# Altium PCB UCL-CPUM-H7-2.PcbDoc (part 1 of 4)
Units mm, origin at the board's own origin, x right, y up, seen from the top; angles counter-clockwise.
Board outline 42 x 53 mm, 6 copper layers (Top Layer, L2_GND, L3_VCC, L4_Sig, L5_GND, Bottom Layer), stack 1.657 mm thick; 92 components, 176 nets, 471 pads, 255 vias.
Unrouted connection lines stored in the file: 34.
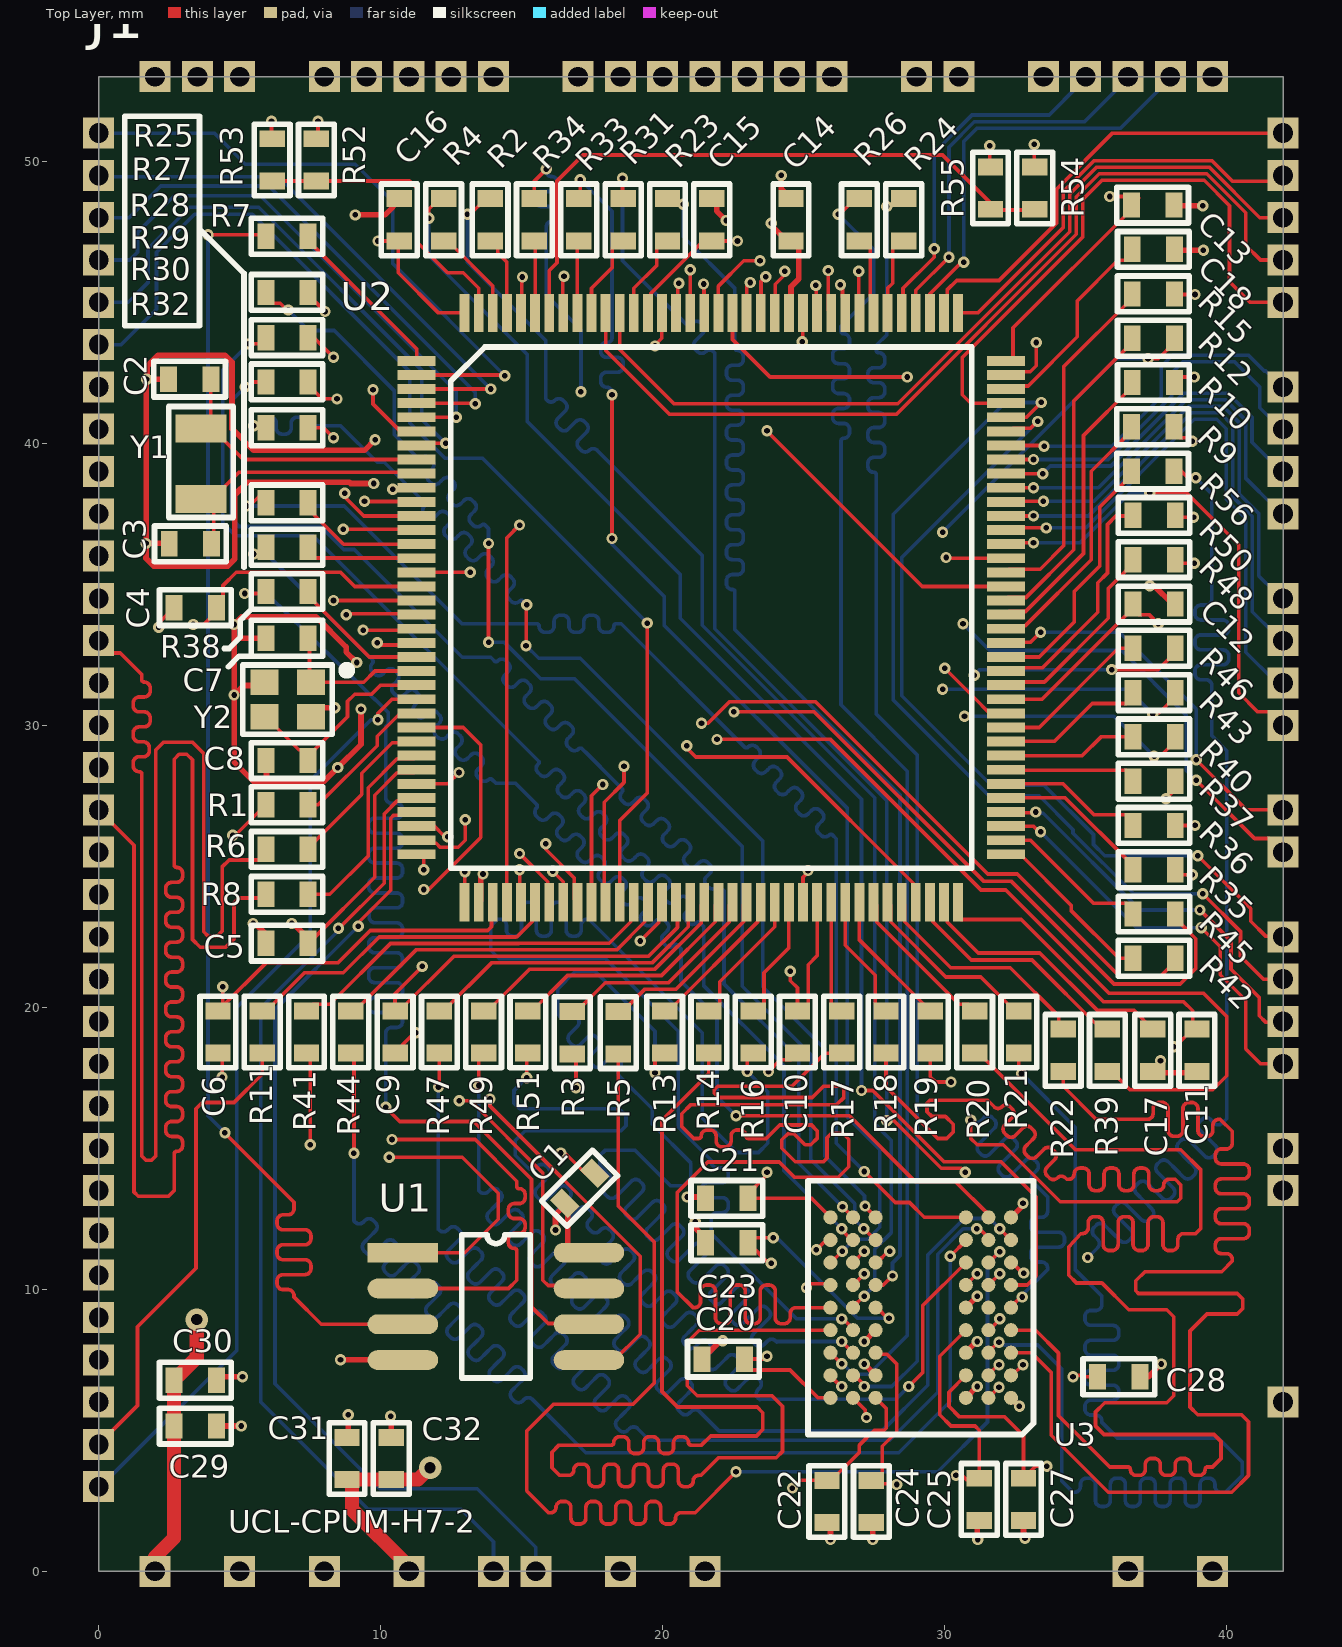
[diagram p0: Top Layer view]
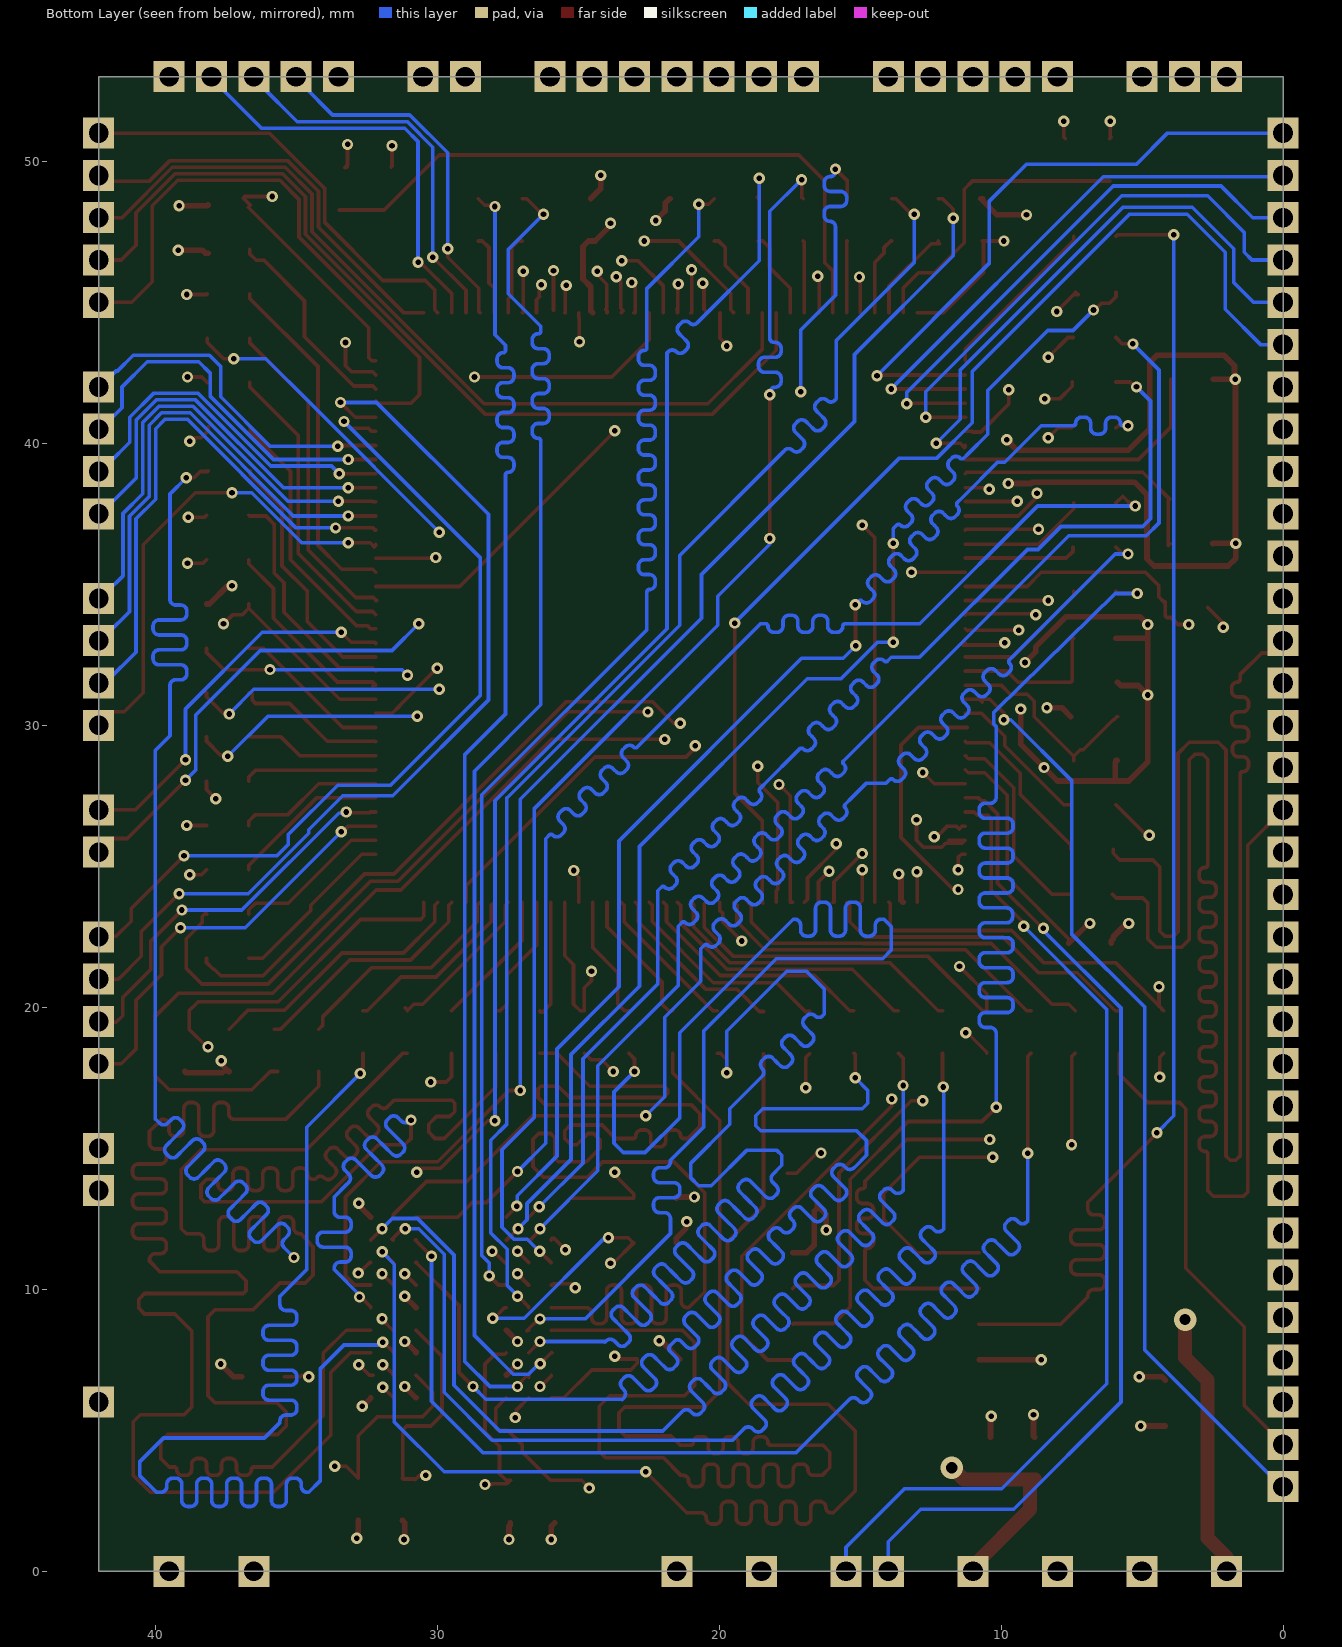
[diagram p1: Bottom Layer view, seen from below]
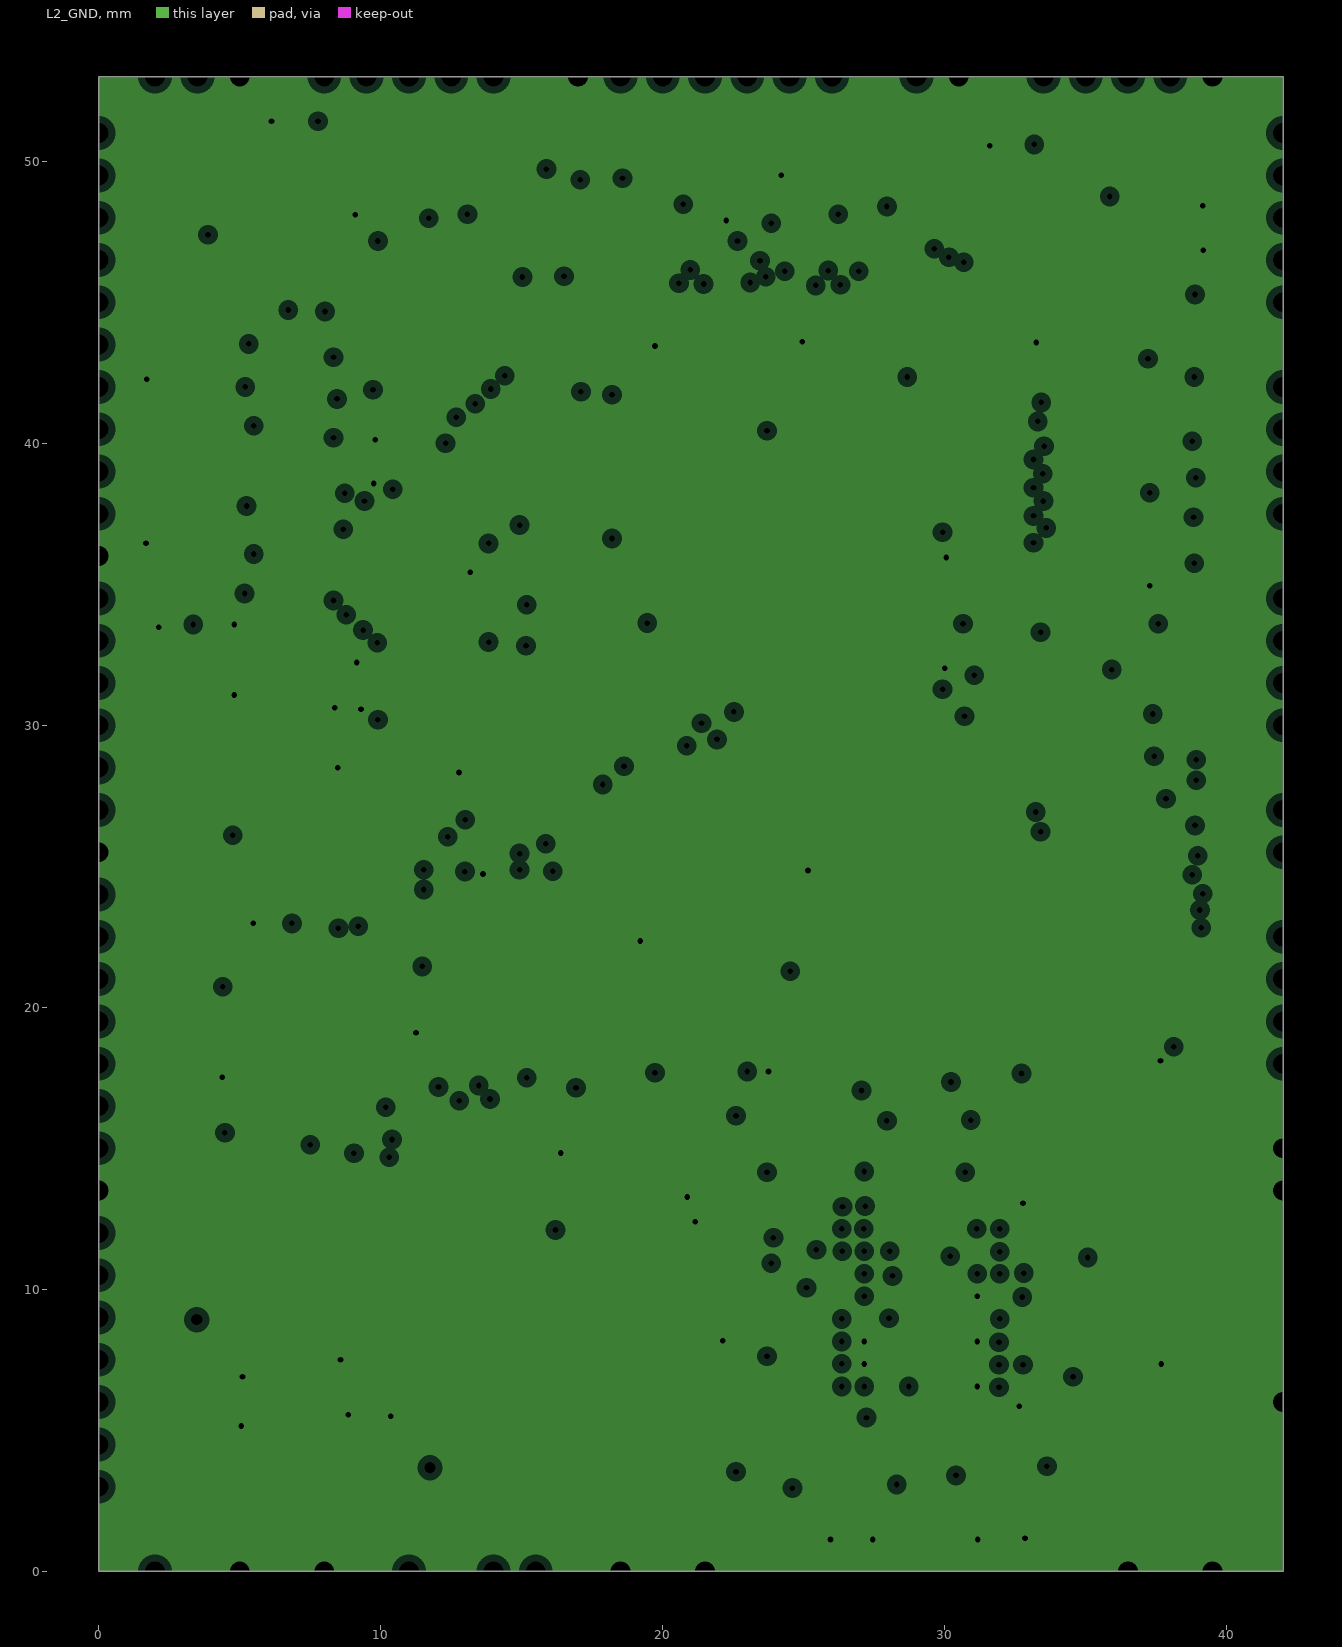
[diagram p2: L2_GND, clearances drawn from the general rule]
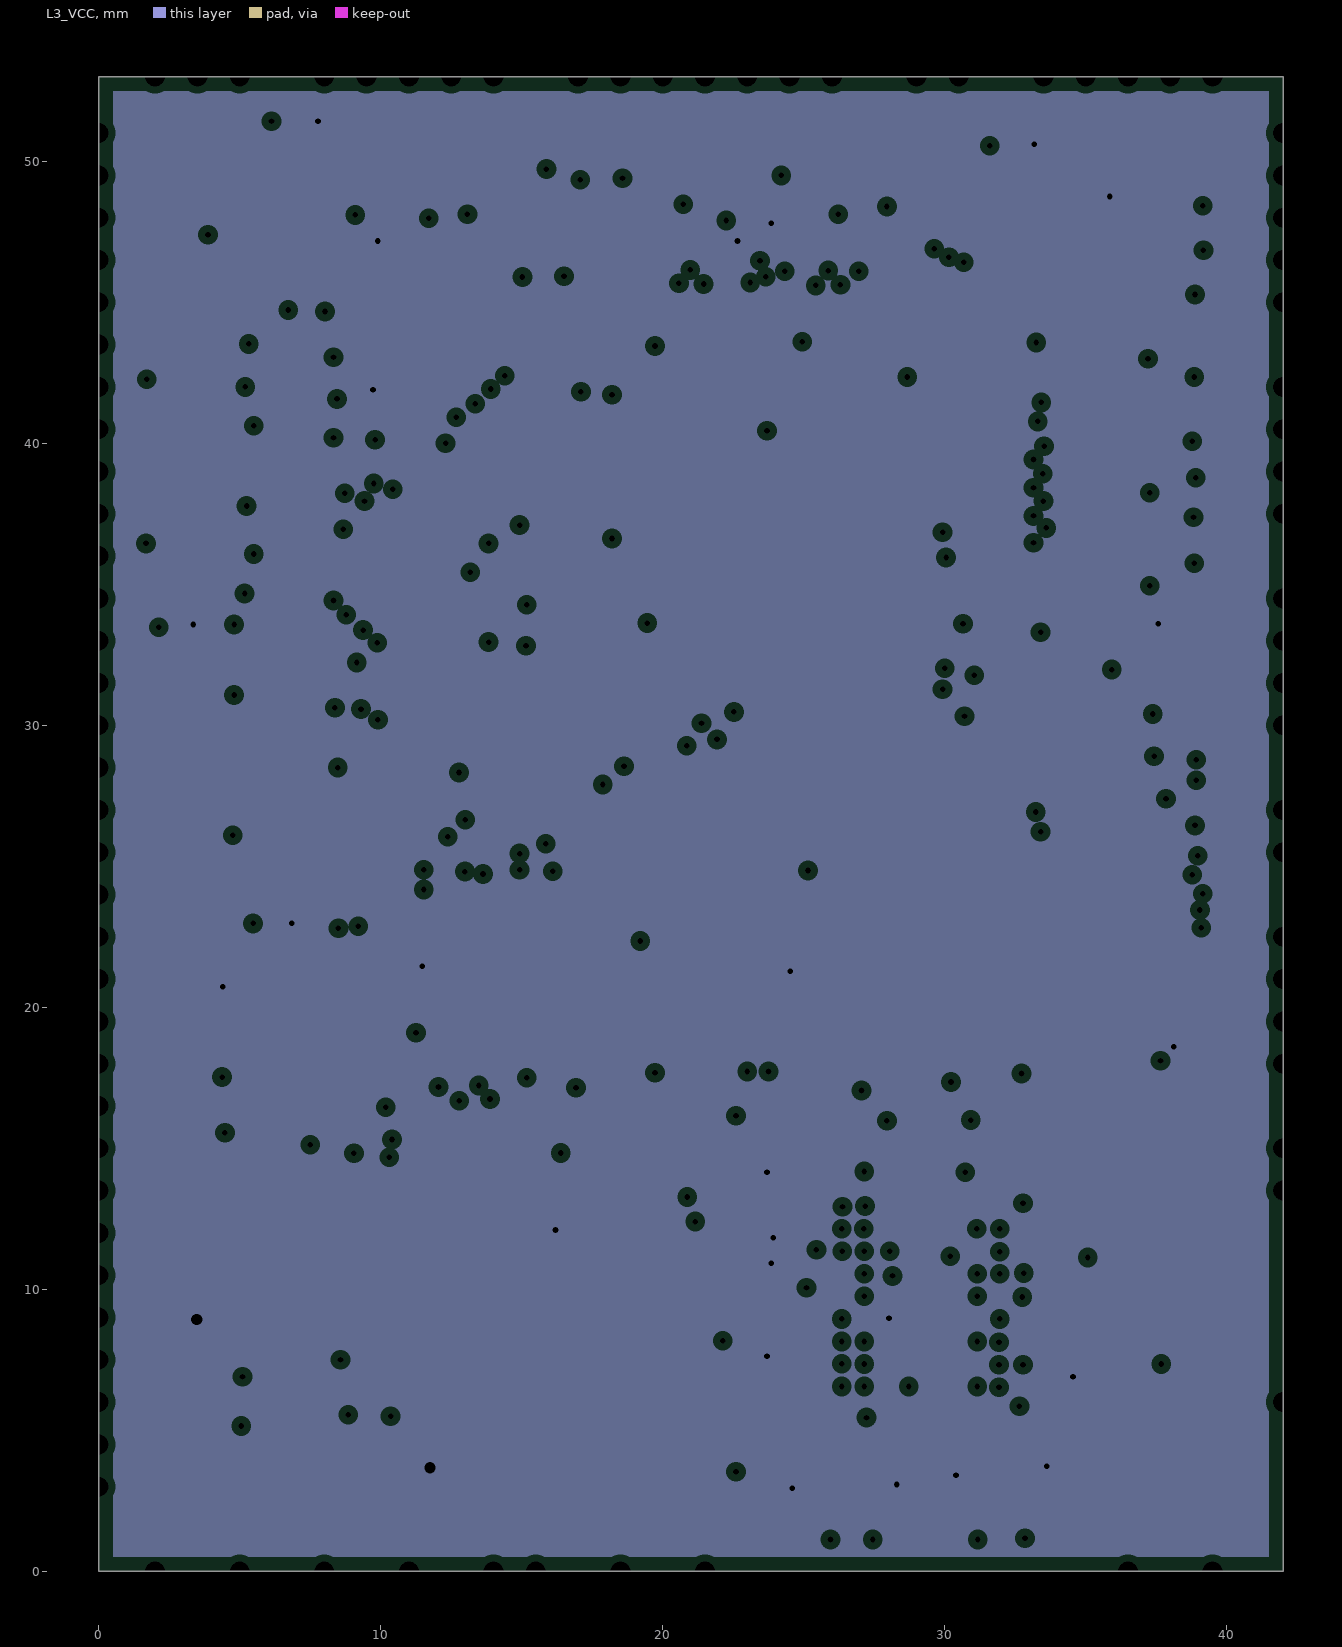
[diagram p3: L3_VCC, clearances drawn from the general rule]
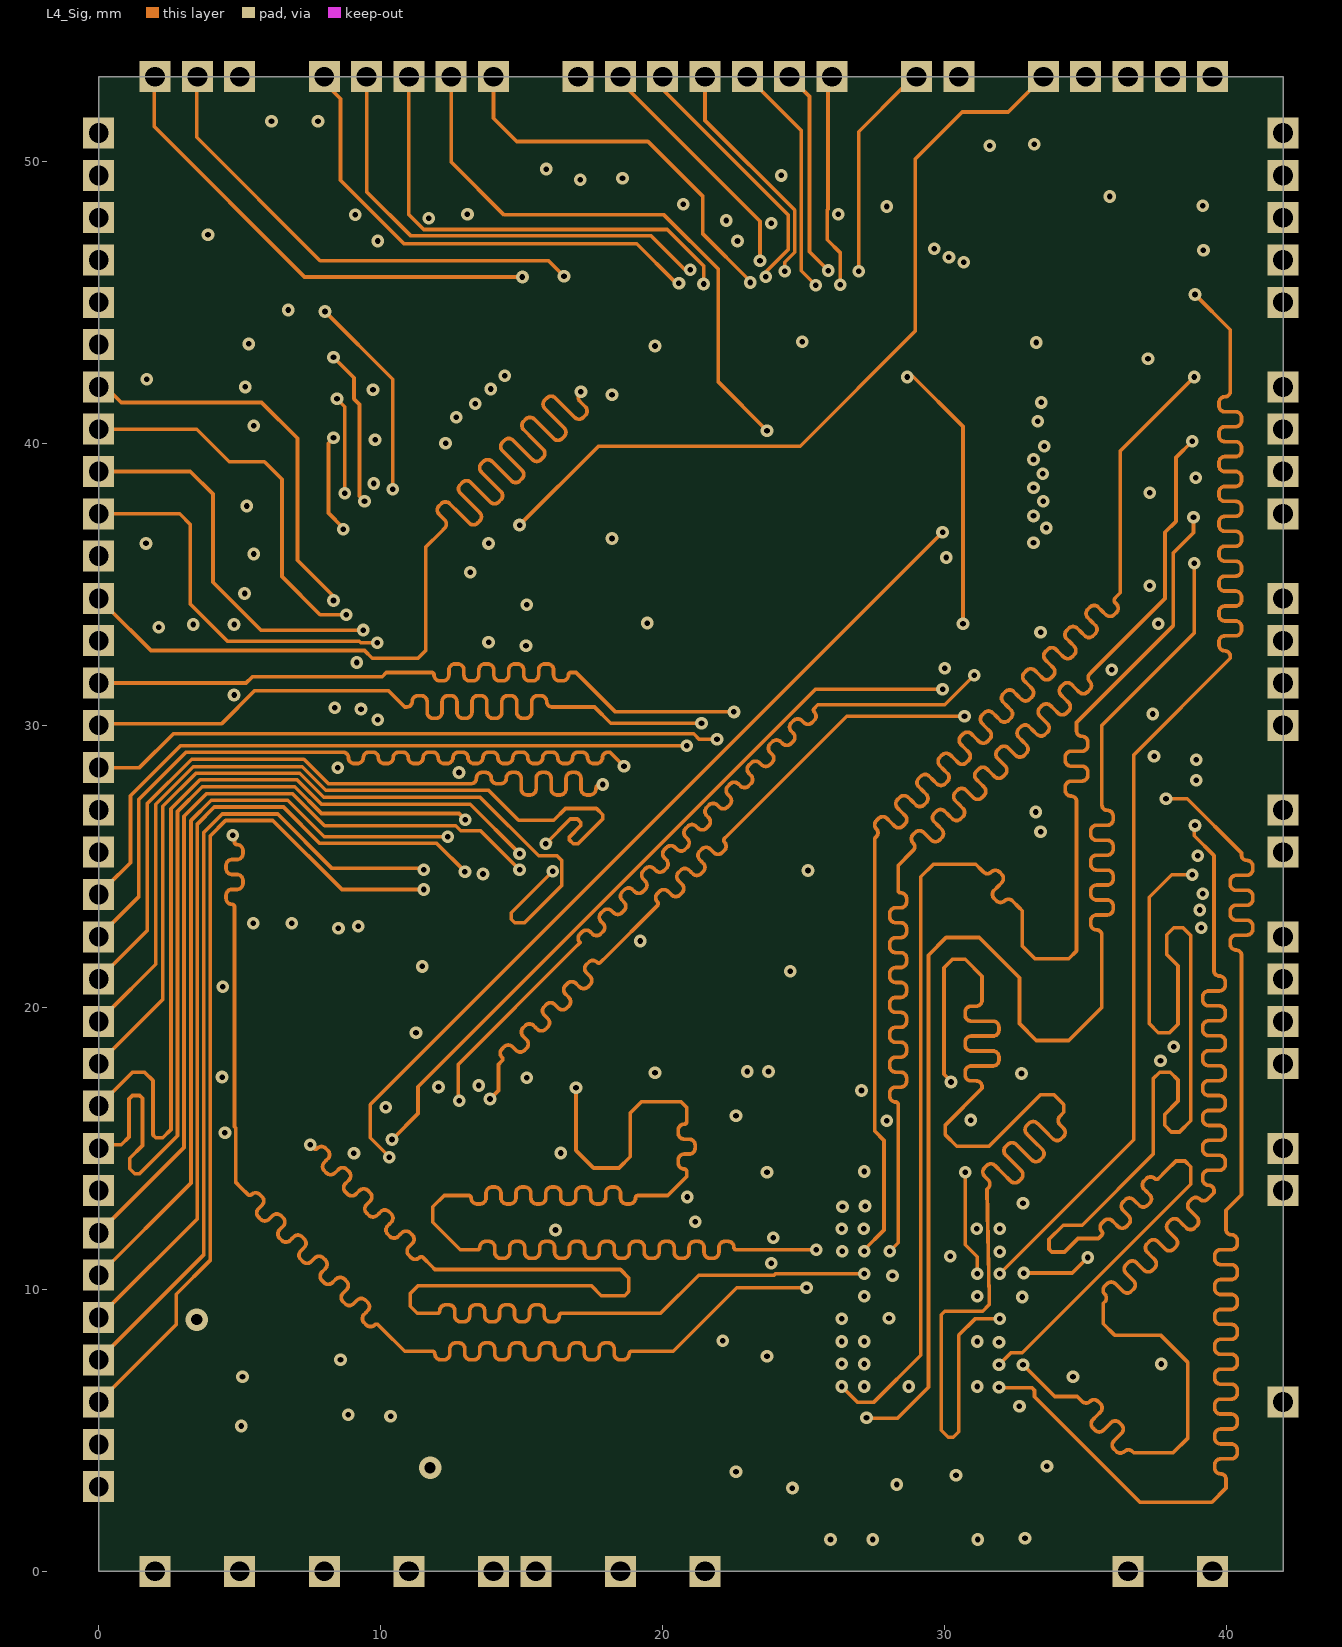
[diagram p4: L4_Sig]
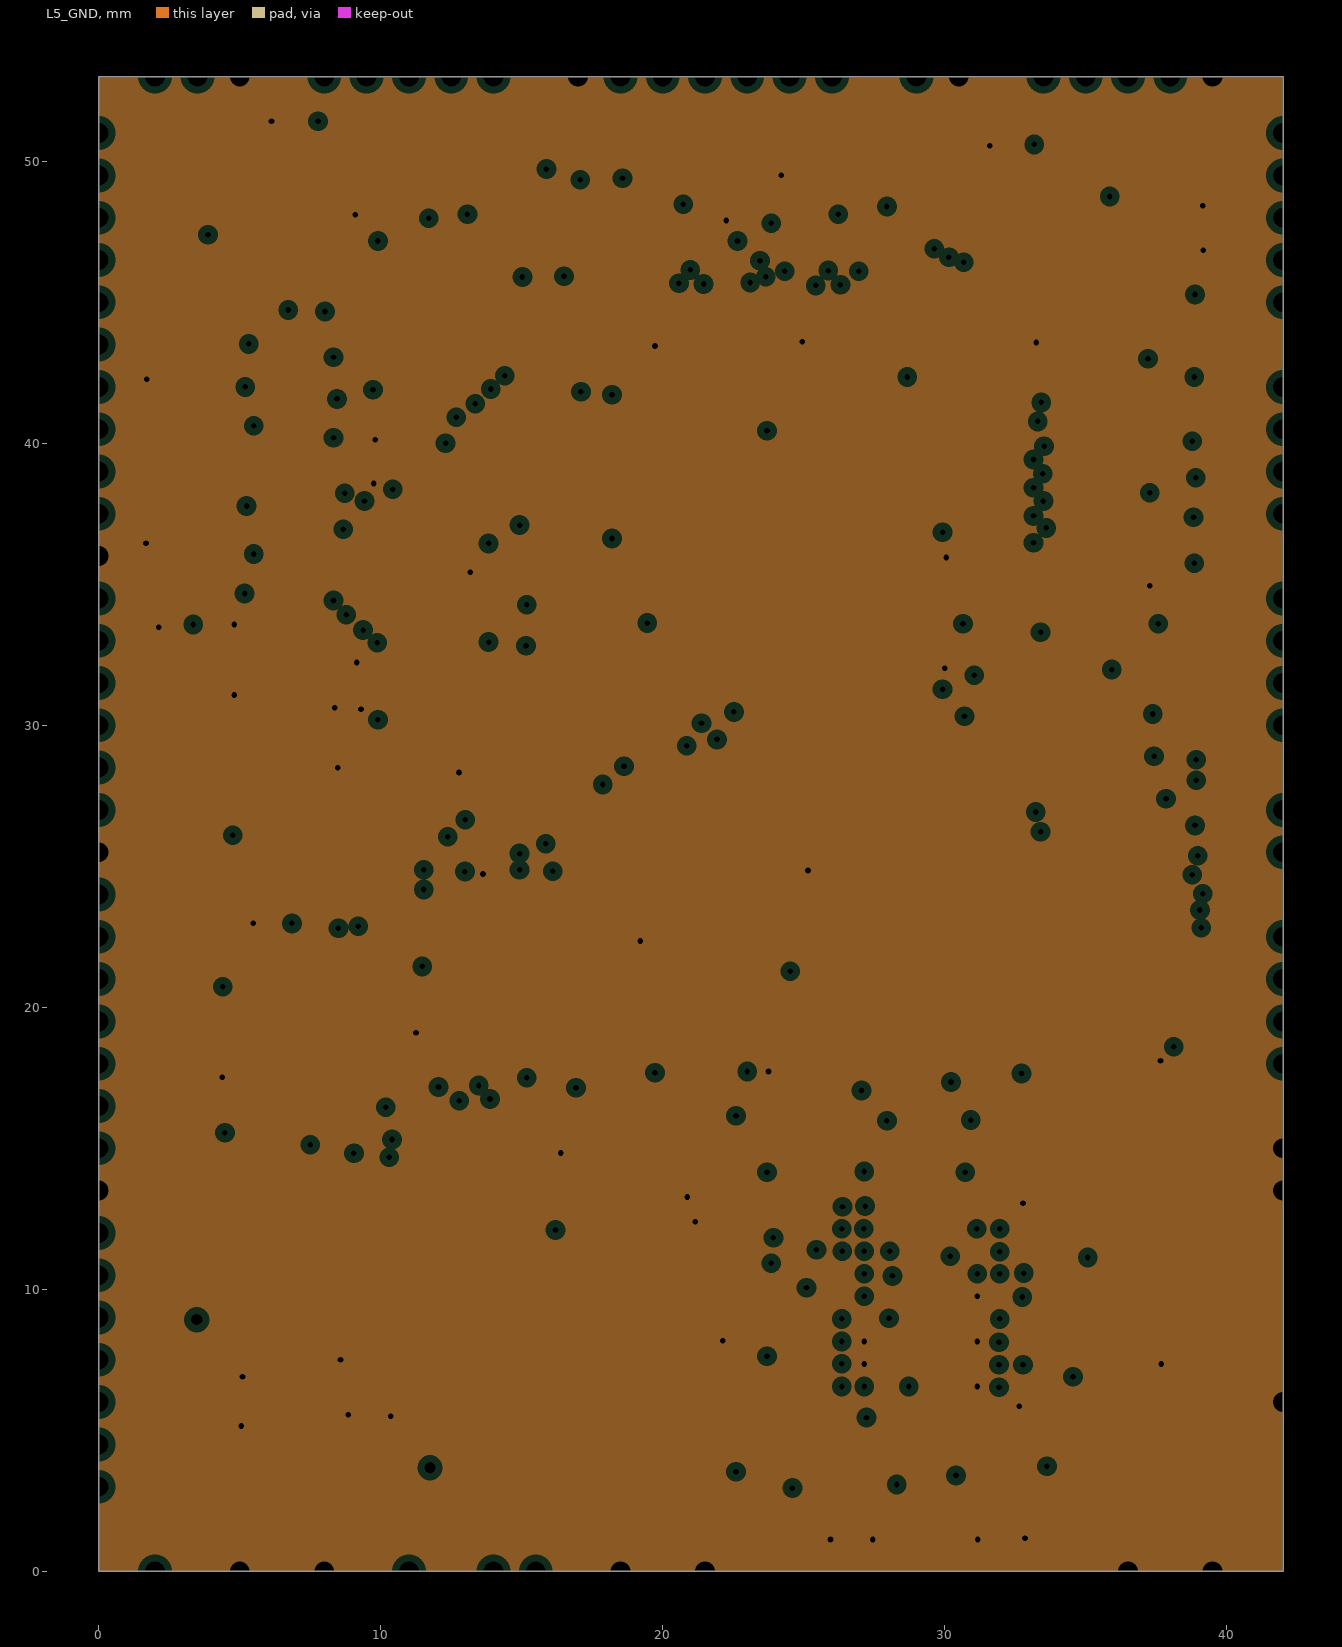
[diagram p5: L5_GND, clearances drawn from the general rule]
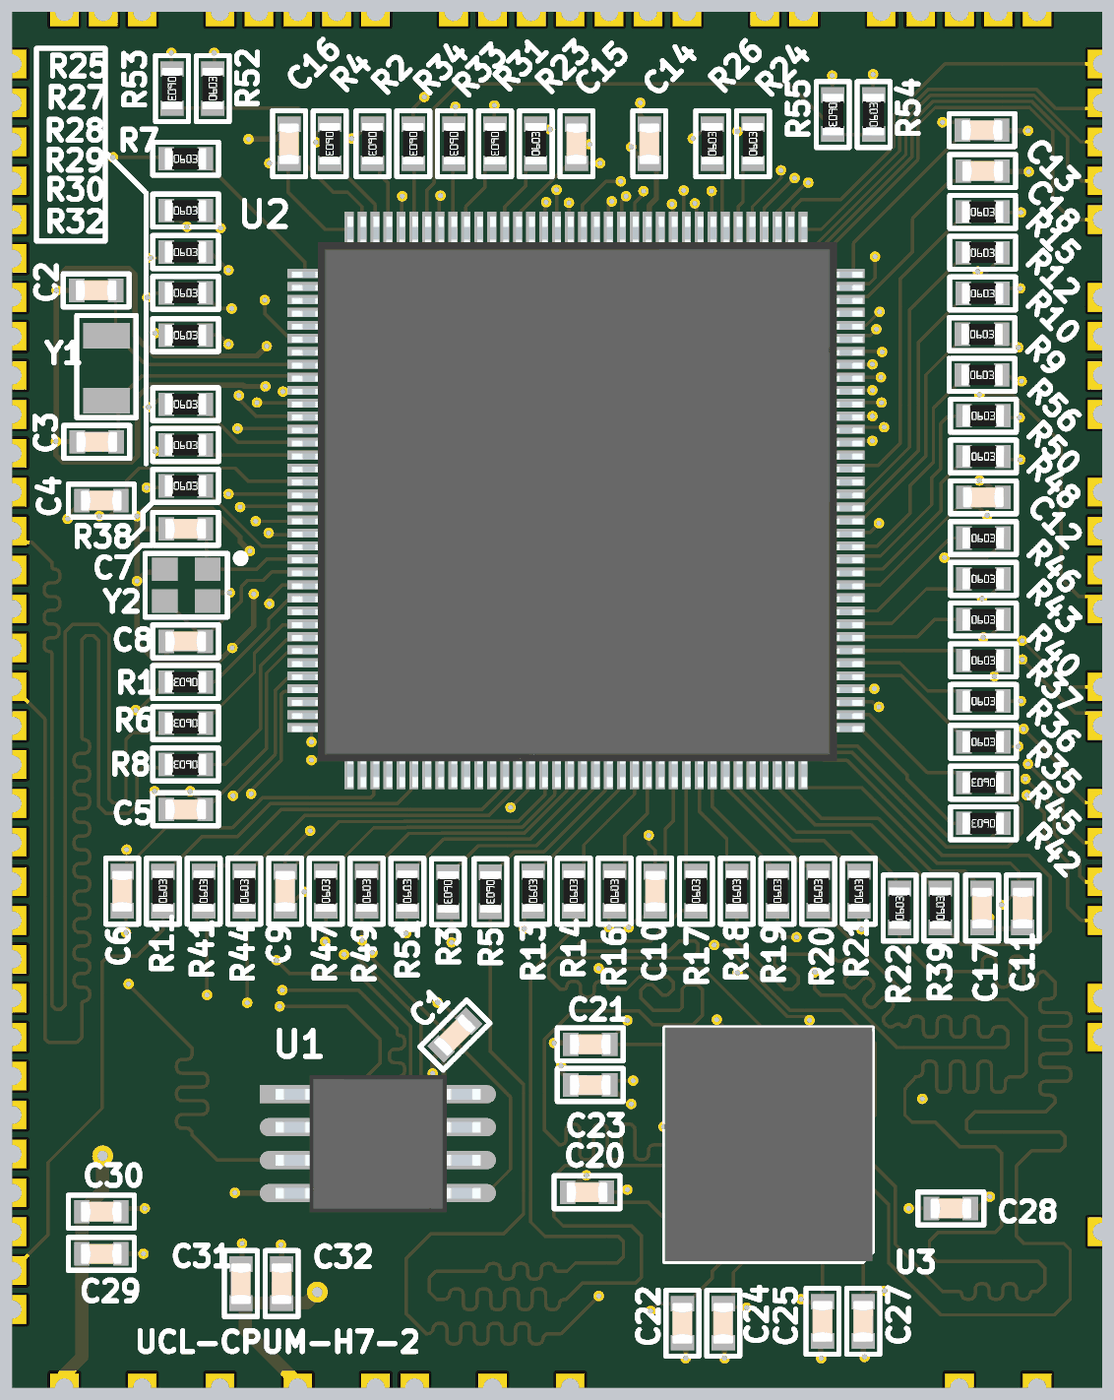
[diagram p9: 3D render of the assembled board from above, using the file's embedded part models]

## Layer stack, top to bottom
Top Solder: solder mask 0.0102, Solder Resist, Dk 3.5
Top Layer: signal copper 0.018
Dielectric1: prepreg 0.2, FR-4, Dk 4.8
L2_GND: plane copper 0.035, net GND
Dielectric2: core 0.36, FR-4, Dk 4.8
L3_VCC: plane copper 0.035, net VCC
Dielectric3: prepreg 0.36, FR-4, Dk 4.8
L4_Sig: signal copper 0.0356
Dielectric4: core 0.36, FR-4, Dk 4.8
L5_GND: plane copper 0.035, net GND
Dielectric5: prepreg 0.2, FR-4, Dk 4.8
Bottom Layer: signal copper 0.018
Bottom Solder: solder mask 0.0102, Solder Resist, Dk 3.5

## Board outline
42,53 42,0 0,0 0,53

## Design rules (kind name [scope] priority, off if disabled: settings)
Clearance Clearance-xPP-xTP-xTT [All] p1: gap=0.1 ignorepadtopadclearanceinfootprint=FALSE except(0: Arc-Hole Track-Hole SMDPad-Hole THPad-Hole Via-Hole Fill-Hole Poly-Hole Region-Hole Text-Hole)
ComponentClearance ComponentClearanceIgnoreExtIOs [HasFootprint('EXT_IOS')] p1: gap=0 collisioncheckmode=3 verticalgap=0 showdistances=FALSE
ComponentClearance [All] p2: gap=0.1 collisioncheckmode=3 verticalgap=0.25 showdistances=FALSE
DiffPairsRouting [All] p1: maxlimit=0.25 minlimit=0.1 mostfreqgap=0.25 toplayer_minwidth=0.13 toplayer_maxwidth=0.13 toplayer_prefwidth=0.13 midlayer3_maxgap=0.2 midlayer3_prefgap=0.2 midlayer3_minwidth=0.1 midlayer3_maxwidth=0.1 midlayer3_prefwidth=0.1 bottomlayer_minwidth=0.13 bottomlayer_maxwidth=0.13 bottomlayer_prefwidth=0.13 maxuncoupledlength=12.5
Height [All] p1: minheight=0 maxheight=25 prefheight=12.5
HoleSize HoleSize-PTH [All] p1: absolutevalues=TRUE maxlimit=2 minlimit=0.15 maxpercent=80.000 minpercent=20.000
HoleToHoleClearance [All] p1: gap=0.35 allowstackedmicrovias=TRUE
MatchedLengths MatchedLengths_ETH_RX [InNet('ETH_MII_RXD0') Or InNet('ETH_MII_RXD1') Or InNet('ETH_MII_RXD2') Or InNet('ETH_MII_RXD3') Or InNet('ETH_MII_RX_DV') Or InNet('ETH_MII_RX_CLK') Or InNet('ETH_MII_ RX_ER')] p1: tolerance=3 checknetsindiffpair=FALSE checkdiffpairvsdiffpair=TRUE checkxsignals=TRUE checkothers=TRUE
MatchedLengths MatchedLengths_ETH_TX [InNet('ETH_MII_TXD0') Or InNet('ETH_MII_TXD1') Or InNet('ETH_MII_TXD2') Or InNet('ETH_MII_TXD3') Or InNet('ETH_MII_TX_EN') Or InNet('ETH_MII_TX_CLK')] p2: tolerance=3 checknetsindiffpair=FALSE checkdiffpairvsdiffpair=TRUE checkxsignals=TRUE checkothers=TRUE
MatchedLengths MatchedLengths_QUADSPI [InNet('QUADSPI_ BK1_IO0') Or InNet('QUADSPI_ BK1_IO1') Or InNet('QUADSPI_ BK1_IO2') Or InNet('QUADSPI_ BK1_IO3') Or InNet('QUADSPI_ BK1_NCS') Or InNet('QUADSPI_ BK1_NCS') Or InNet('QUADSPI_ CLK')] p3: tolerance=2 checknetsindiffpair=FALSE checkdiffpairvsdiffpair=TRUE checkxsignals=TRUE checkothers=TRUE
MatchedLengths MatchedLengths_SDRAM [InNetClass('SDRAM_A[12..0]') Or InNetClass('SDRAM_D[15..0]') Or InNet('SDRAM_SDCKE1') Or InNet('SDRAM_SDNCAS') Or InNet('SDRAM_SDNRAS') Or InNet('SDRAM_SDNE1') Or InNet('SDRAM_SDNWE') Or InNet('SDRAM_BA0') Or InNet('SDRAM_BA1') Or InNet('SDRAM_NBL1') Or InNet('SDRAM_NBL0') Or InNet('FMC_ SDCLK')] p4: tolerance=2 checknetsindiffpair=FALSE checkdiffpairvsdiffpair=TRUE checkxsignals=TRUE checkothers=TRUE
MinimumAnnularRing Minimum-IAR [All] p1: minimumring=0.1
MinimumSolderMaskSliver [All] p1: minsoldermaskwidth=0.08
PlaneClearance PlaneClearance-IPI [All] p1: clearance=0.25
PlaneConnect [All] p1: planeconnectstyle=Direct reliefexpansion=0.175 reliefentries=4 reliefconductorwidth=0.2 reliefairgap=0.2
PolygonConnect PolygonConnect-xTW [All] p1: connectstyle=Direct reliefconductorwidth=0.2 reliefentries=4 polygonreliefangle="90 Angle" airgapwidth=0.2
RoutingCorners [All] p1: cornerstyle=45-Degree minsetback=2.5 maxsetback=2.5
RoutingVias [All] p1: holewidth=0.2 width=0.4 viastyle="Through Hole" minholewidth=0.2 minwidth=0.4 maxholewidth=0.75 maxwidth=1
SilkToSilkClearance [All] p1: silktosilkclearance=0
SilkToSolderMaskClearance SilkscreenOverComponentPads [IsPad] p1: minsilkscreentomaskgap=0.05 clearancetoexposedcopper=TRUE
SolderMaskExpansion [All] p1: expansion=0
UnRoutedNet [All] p1: checkbadconnections=TRUE
Width Width-xTW [All] p1: maxlimit=1.5 minlimit=0.1 preferedwidth=0.2
18 further rules are at their usual default settings.
